# Altium PCB STB_LightBoard.PcbDoc (part 5 of 31) (continued)
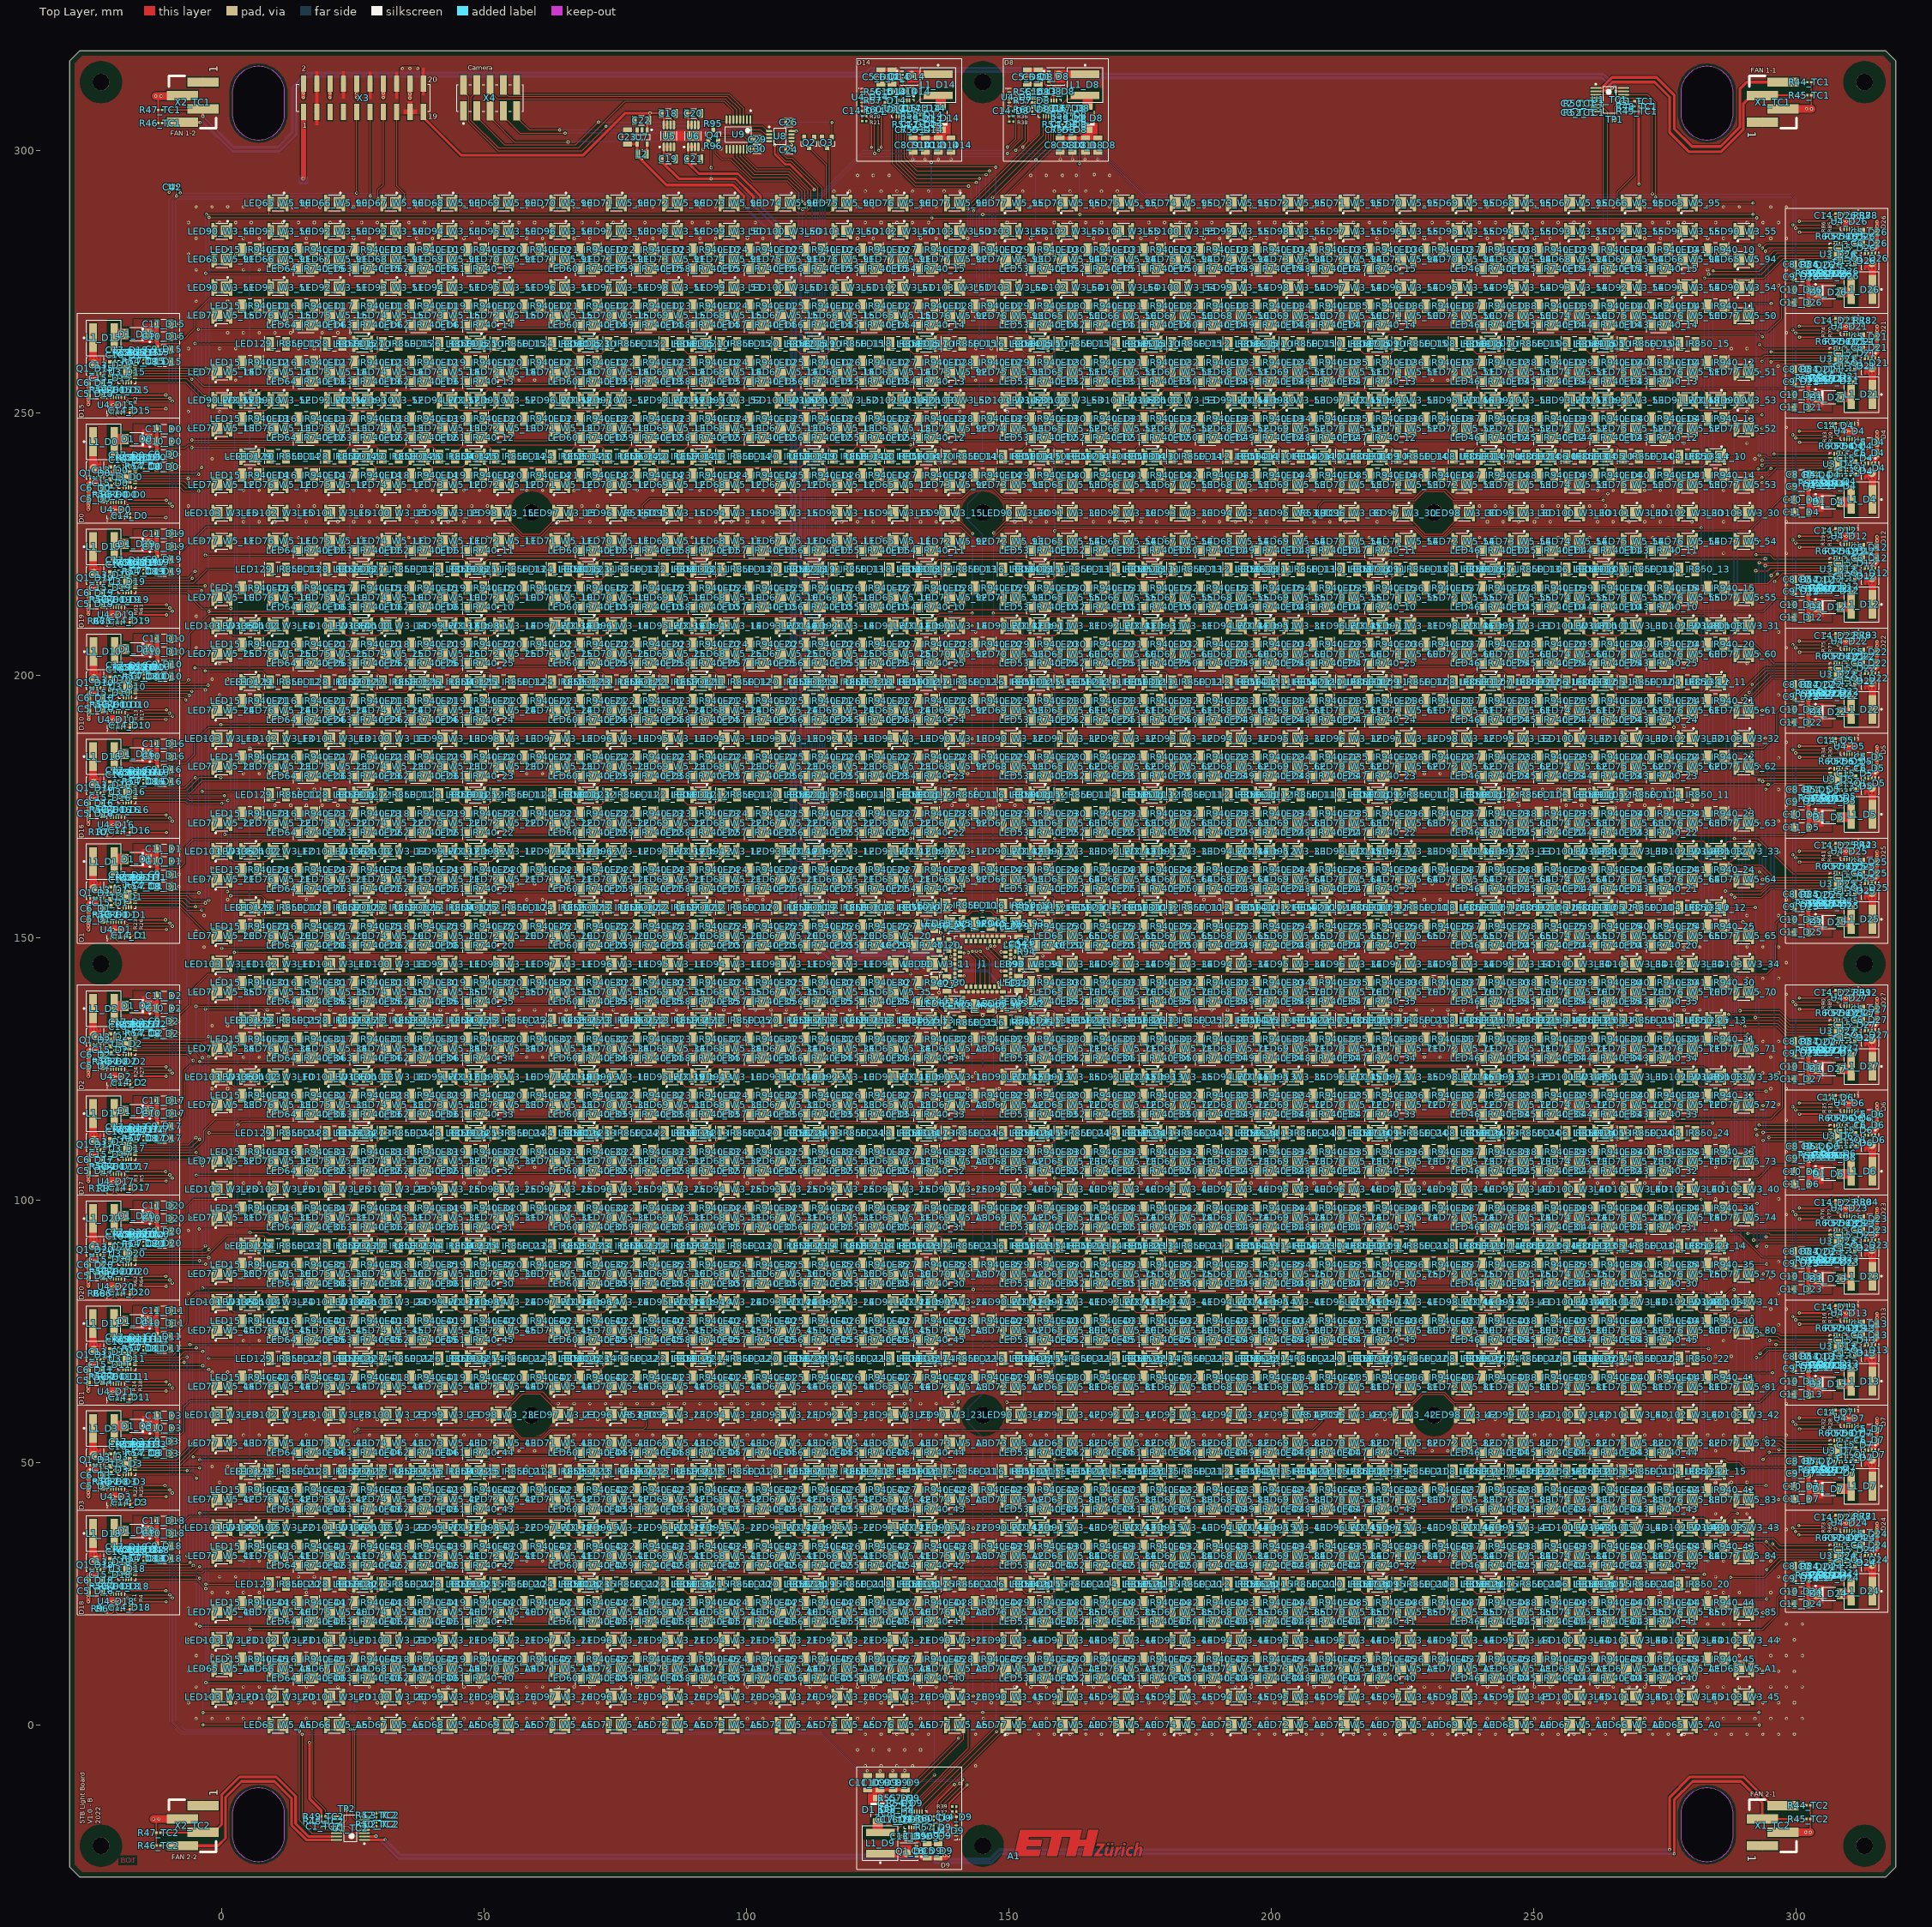
[diagram p0: Top Layer view]
## Components (designator, comment, footprint, x,y, rotation, side; value= is the part's Value field where it differs from the comment) (continued)
LED20_IR940_43 "AREM-90C0-KL000" AREM-80C0-LM000 59.075,34.023 r180 top (schematic designator LED20)
LED20_IR940_44 "AREM-90C0-KL000" AREM-80C0-LM000 59.075,23.282 r180 top (schematic designator LED20)
LED20_IR940_45 "AREM-90C0-KL000" AREM-80C0-LM000 59.075,12.541 r180 top (schematic designator LED20)
LED21_IR940_10 "AREM-90C0-KL000" AREM-80C0-LM000 69.816,281.066 r180 top (schematic designator LED21)
LED21_IR940_11 "AREM-90C0-KL000" AREM-80C0-LM000 69.816,270.325 r180 top (schematic designator LED21)
LED21_IR940_12 "AREM-90C0-KL000" AREM-80C0-LM000 69.816,259.584 r180 top (schematic designator LED21)
LED21_IR940_13 "AREM-90C0-KL000" AREM-80C0-LM000 69.816,248.843 r180 top (schematic designator LED21)
LED21_IR940_14 "AREM-90C0-KL000" AREM-80C0-LM000 69.816,238.102 r180 top (schematic designator LED21)
LED21_IR940_15 "AREM-90C0-KL000" AREM-80C0-LM000 69.816,216.62 r180 top (schematic designator LED21)
LED21_IR940_20 "AREM-90C0-KL000" AREM-80C0-LM000 69.816,205.879 r180 top (schematic designator LED21)
LED21_IR940_21 "AREM-90C0-KL000" AREM-80C0-LM000 69.816,195.138 r180 top (schematic designator LED21)
LED21_IR940_22 "AREM-90C0-KL000" AREM-80C0-LM000 69.816,184.397 r180 top (schematic designator LED21)
LED21_IR940_23 "AREM-90C0-KL000" AREM-80C0-LM000 69.816,173.656 r180 top (schematic designator LED21)
LED21_IR940_24 "AREM-90C0-KL000" AREM-80C0-LM000 69.816,162.915 r180 top (schematic designator LED21)
LED21_IR940_25 "AREM-90C0-KL000" AREM-80C0-LM000 69.816,152.174 r180 top (schematic designator LED21)
LED21_IR940_30 "AREM-90C0-KL000" AREM-80C0-LM000 69.816,141.433 r180 top (schematic designator LED21)
LED21_IR940_31 "AREM-90C0-KL000" AREM-80C0-LM000 69.816,130.692 r180 top (schematic designator LED21)
LED21_IR940_32 "AREM-90C0-KL000" AREM-80C0-LM000 69.816,119.951 r180 top (schematic designator LED21)
LED21_IR940_33 "AREM-90C0-KL000" AREM-80C0-LM000 69.816,109.21 r180 top (schematic designator LED21)
LED21_IR940_34 "AREM-90C0-KL000" AREM-80C0-LM000 69.816,98.469 r180 top (schematic designator LED21)
LED21_IR940_35 "AREM-90C0-KL000" AREM-80C0-LM000 69.816,87.728 r180 top (schematic designator LED21)
LED21_IR940_40 "AREM-90C0-KL000" AREM-80C0-LM000 69.816,76.987 r180 top (schematic designator LED21)
LED21_IR940_41 "AREM-90C0-KL000" AREM-80C0-LM000 69.816,66.246 r180 top (schematic designator LED21)
LED21_IR940_42 "AREM-90C0-KL000" AREM-80C0-LM000 69.816,44.764 r180 top (schematic designator LED21)
LED21_IR940_43 "AREM-90C0-KL000" AREM-80C0-LM000 69.816,34.023 r180 top (schematic designator LED21)
LED21_IR940_44 "AREM-90C0-KL000" AREM-80C0-LM000 69.816,23.282 r180 top (schematic designator LED21)
LED21_IR940_45 "AREM-90C0-KL000" AREM-80C0-LM000 69.816,12.541 r180 top (schematic designator LED21)
LED22_IR940_10 "AREM-90C0-KL000" AREM-80C0-LM000 80.557,281.066 r180 top (schematic designator LED22)
LED22_IR940_11 "AREM-90C0-KL000" AREM-80C0-LM000 80.557,270.325 r180 top (schematic designator LED22)
LED22_IR940_12 "AREM-90C0-KL000" AREM-80C0-LM000 80.557,259.584 r180 top (schematic designator LED22)
LED22_IR940_13 "AREM-90C0-KL000" AREM-80C0-LM000 80.557,248.843 r180 top (schematic designator LED22)
LED22_IR940_14 "AREM-90C0-KL000" AREM-80C0-LM000 80.557,238.102 r180 top (schematic designator LED22)
LED22_IR940_15 "AREM-90C0-KL000" AREM-80C0-LM000 80.557,216.62 r180 top (schematic designator LED22)
LED22_IR940_20 "AREM-90C0-KL000" AREM-80C0-LM000 80.557,205.879 r180 top (schematic designator LED22)
LED22_IR940_21 "AREM-90C0-KL000" AREM-80C0-LM000 80.557,195.138 r180 top (schematic designator LED22)
LED22_IR940_22 "AREM-90C0-KL000" AREM-80C0-LM000 80.557,184.397 r180 top (schematic designator LED22)
LED22_IR940_23 "AREM-90C0-KL000" AREM-80C0-LM000 80.557,173.656 r180 top (schematic designator LED22)
LED22_IR940_24 "AREM-90C0-KL000" AREM-80C0-LM000 80.557,162.915 r180 top (schematic designator LED22)
LED22_IR940_25 "AREM-90C0-KL000" AREM-80C0-LM000 80.557,152.174 r180 top (schematic designator LED22)
LED22_IR940_30 "AREM-90C0-KL000" AREM-80C0-LM000 80.557,141.433 r180 top (schematic designator LED22)
LED22_IR940_31 "AREM-90C0-KL000" AREM-80C0-LM000 80.557,130.692 r180 top (schematic designator LED22)
LED22_IR940_32 "AREM-90C0-KL000" AREM-80C0-LM000 80.557,119.951 r180 top (schematic designator LED22)
LED22_IR940_33 "AREM-90C0-KL000" AREM-80C0-LM000 80.557,109.21 r180 top (schematic designator LED22)
LED22_IR940_34 "AREM-90C0-KL000" AREM-80C0-LM000 80.557,98.469 r180 top (schematic designator LED22)
LED22_IR940_35 "AREM-90C0-KL000" AREM-80C0-LM000 80.557,87.728 r180 top (schematic designator LED22)
LED22_IR940_40 "AREM-90C0-KL000" AREM-80C0-LM000 80.557,76.987 r180 top (schematic designator LED22)
LED22_IR940_41 "AREM-90C0-KL000" AREM-80C0-LM000 80.557,66.246 r180 top (schematic designator LED22)
LED22_IR940_42 "AREM-90C0-KL000" AREM-80C0-LM000 80.557,44.764 r180 top (schematic designator LED22)
LED22_IR940_43 "AREM-90C0-KL000" AREM-80C0-LM000 80.557,34.023 r180 top (schematic designator LED22)
LED22_IR940_44 "AREM-90C0-KL000" AREM-80C0-LM000 80.557,23.282 r180 top (schematic designator LED22)
LED22_IR940_45 "AREM-90C0-KL000" AREM-80C0-LM000 80.557,12.541 r180 top (schematic designator LED22)
LED23_IR940_10 "AREM-90C0-KL000" AREM-80C0-LM000 91.298,281.066 r180 top (schematic designator LED23)
LED23_IR940_11 "AREM-90C0-KL000" AREM-80C0-LM000 91.298,270.325 r180 top (schematic designator LED23)
LED23_IR940_12 "AREM-90C0-KL000" AREM-80C0-LM000 91.298,259.584 r180 top (schematic designator LED23)
LED23_IR940_13 "AREM-90C0-KL000" AREM-80C0-LM000 91.298,248.843 r180 top (schematic designator LED23)
LED23_IR940_14 "AREM-90C0-KL000" AREM-80C0-LM000 91.298,238.102 r180 top (schematic designator LED23)
LED23_IR940_15 "AREM-90C0-KL000" AREM-80C0-LM000 91.298,216.62 r180 top (schematic designator LED23)
LED23_IR940_20 "AREM-90C0-KL000" AREM-80C0-LM000 91.298,205.879 r180 top (schematic designator LED23)
LED23_IR940_21 "AREM-90C0-KL000" AREM-80C0-LM000 91.298,195.138 r180 top (schematic designator LED23)
LED23_IR940_22 "AREM-90C0-KL000" AREM-80C0-LM000 91.298,184.397 r180 top (schematic designator LED23)
LED23_IR940_23 "AREM-90C0-KL000" AREM-80C0-LM000 91.298,173.656 r180 top (schematic designator LED23)
LED23_IR940_24 "AREM-90C0-KL000" AREM-80C0-LM000 91.298,162.915 r180 top (schematic designator LED23)
LED23_IR940_25 "AREM-90C0-KL000" AREM-80C0-LM000 91.298,152.174 r180 top (schematic designator LED23)
LED23_IR940_30 "AREM-90C0-KL000" AREM-80C0-LM000 91.298,141.433 r180 top (schematic designator LED23)
LED23_IR940_31 "AREM-90C0-KL000" AREM-80C0-LM000 91.298,130.692 r180 top (schematic designator LED23)
LED23_IR940_32 "AREM-90C0-KL000" AREM-80C0-LM000 91.298,119.951 r180 top (schematic designator LED23)
LED23_IR940_33 "AREM-90C0-KL000" AREM-80C0-LM000 91.298,109.21 r180 top (schematic designator LED23)
LED23_IR940_34 "AREM-90C0-KL000" AREM-80C0-LM000 91.298,98.469 r180 top (schematic designator LED23)
LED23_IR940_35 "AREM-90C0-KL000" AREM-80C0-LM000 91.298,87.728 r180 top (schematic designator LED23)
LED23_IR940_40 "AREM-90C0-KL000" AREM-80C0-LM000 91.298,76.987 r180 top (schematic designator LED23)
LED23_IR940_41 "AREM-90C0-KL000" AREM-80C0-LM000 91.298,66.246 r180 top (schematic designator LED23)
LED23_IR940_42 "AREM-90C0-KL000" AREM-80C0-LM000 91.298,44.764 r180 top (schematic designator LED23)
LED23_IR940_43 "AREM-90C0-KL000" AREM-80C0-LM000 91.298,34.023 r180 top (schematic designator LED23)
LED23_IR940_44 "AREM-90C0-KL000" AREM-80C0-LM000 91.298,23.282 r180 top (schematic designator LED23)
LED23_IR940_45 "AREM-90C0-KL000" AREM-80C0-LM000 91.298,12.541 r180 top (schematic designator LED23)
LED24_IR940_10 "AREM-90C0-KL000" AREM-80C0-LM000 102.039,281.066 r180 top (schematic designator LED24)
LED24_IR940_11 "AREM-90C0-KL000" AREM-80C0-LM000 102.039,270.325 r180 top (schematic designator LED24)
LED24_IR940_12 "AREM-90C0-KL000" AREM-80C0-LM000 102.039,259.584 r180 top (schematic designator LED24)
LED24_IR940_13 "AREM-90C0-KL000" AREM-80C0-LM000 102.039,248.843 r180 top (schematic designator LED24)
LED24_IR940_14 "AREM-90C0-KL000" AREM-80C0-LM000 102.039,238.102 r180 top (schematic designator LED24)
LED24_IR940_15 "AREM-90C0-KL000" AREM-80C0-LM000 102.039,216.62 r180 top (schematic designator LED24)
LED24_IR940_20 "AREM-90C0-KL000" AREM-80C0-LM000 102.039,205.879 r180 top (schematic designator LED24)
LED24_IR940_21 "AREM-90C0-KL000" AREM-80C0-LM000 102.039,195.138 r180 top (schematic designator LED24)
LED24_IR940_22 "AREM-90C0-KL000" AREM-80C0-LM000 102.039,184.397 r180 top (schematic designator LED24)
LED24_IR940_23 "AREM-90C0-KL000" AREM-80C0-LM000 102.039,173.656 r180 top (schematic designator LED24)
LED24_IR940_24 "AREM-90C0-KL000" AREM-80C0-LM000 102.039,162.915 r180 top (schematic designator LED24)
LED24_IR940_25 "AREM-90C0-KL000" AREM-80C0-LM000 102.039,152.174 r180 top (schematic designator LED24)
LED24_IR940_30 "AREM-90C0-KL000" AREM-80C0-LM000 102.039,141.433 r180 top (schematic designator LED24)
LED24_IR940_31 "AREM-90C0-KL000" AREM-80C0-LM000 102.039,130.692 r180 top (schematic designator LED24)
LED24_IR940_32 "AREM-90C0-KL000" AREM-80C0-LM000 102.039,119.951 r180 top (schematic designator LED24)
LED24_IR940_33 "AREM-90C0-KL000" AREM-80C0-LM000 102.039,109.21 r180 top (schematic designator LED24)
LED24_IR940_34 "AREM-90C0-KL000" AREM-80C0-LM000 102.039,98.469 r180 top (schematic designator LED24)
LED24_IR940_35 "AREM-90C0-KL000" AREM-80C0-LM000 102.039,87.728 r180 top (schematic designator LED24)
LED24_IR940_40 "AREM-90C0-KL000" AREM-80C0-LM000 102.039,76.987 r180 top (schematic designator LED24)
LED24_IR940_41 "AREM-90C0-KL000" AREM-80C0-LM000 102.039,66.246 r180 top (schematic designator LED24)
LED24_IR940_42 "AREM-90C0-KL000" AREM-80C0-LM000 102.039,44.764 r180 top (schematic designator LED24)
LED24_IR940_43 "AREM-90C0-KL000" AREM-80C0-LM000 102.039,34.023 r180 top (schematic designator LED24)
LED24_IR940_44 "AREM-90C0-KL000" AREM-80C0-LM000 102.039,23.282 r180 top (schematic designator LED24)
LED24_IR940_45 "AREM-90C0-KL000" AREM-80C0-LM000 102.039,12.541 r180 top (schematic designator LED24)
LED25_IR940_10 "AREM-90C0-KL000" AREM-80C0-LM000 112.78,281.066 r180 top (schematic designator LED25)
LED25_IR940_11 "AREM-90C0-KL000" AREM-80C0-LM000 112.78,270.325 r180 top (schematic designator LED25)
LED25_IR940_12 "AREM-90C0-KL000" AREM-80C0-LM000 112.78,259.584 r180 top (schematic designator LED25)
LED25_IR940_13 "AREM-90C0-KL000" AREM-80C0-LM000 112.78,248.843 r180 top (schematic designator LED25)
LED25_IR940_14 "AREM-90C0-KL000" AREM-80C0-LM000 112.78,238.102 r180 top (schematic designator LED25)
LED25_IR940_15 "AREM-90C0-KL000" AREM-80C0-LM000 112.78,216.62 r180 top (schematic designator LED25)
LED25_IR940_20 "AREM-90C0-KL000" AREM-80C0-LM000 112.78,205.879 r180 top (schematic designator LED25)
LED25_IR940_21 "AREM-90C0-KL000" AREM-80C0-LM000 112.78,195.138 r180 top (schematic designator LED25)
LED25_IR940_22 "AREM-90C0-KL000" AREM-80C0-LM000 112.78,184.397 r180 top (schematic designator LED25)
LED25_IR940_23 "AREM-90C0-KL000" AREM-80C0-LM000 112.78,173.656 r180 top (schematic designator LED25)
LED25_IR940_24 "AREM-90C0-KL000" AREM-80C0-LM000 112.78,162.915 r180 top (schematic designator LED25)
LED25_IR940_25 "AREM-90C0-KL000" AREM-80C0-LM000 112.78,152.174 r180 top (schematic designator LED25)
LED25_IR940_30 "AREM-90C0-KL000" AREM-80C0-LM000 112.78,141.433 r180 top (schematic designator LED25)
LED25_IR940_31 "AREM-90C0-KL000" AREM-80C0-LM000 112.78,130.692 r180 top (schematic designator LED25)
LED25_IR940_32 "AREM-90C0-KL000" AREM-80C0-LM000 112.78,119.951 r180 top (schematic designator LED25)
LED25_IR940_33 "AREM-90C0-KL000" AREM-80C0-LM000 112.78,109.21 r180 top (schematic designator LED25)
LED25_IR940_34 "AREM-90C0-KL000" AREM-80C0-LM000 112.78,98.469 r180 top (schematic designator LED25)
LED25_IR940_35 "AREM-90C0-KL000" AREM-80C0-LM000 112.78,87.728 r180 top (schematic designator LED25)
LED25_IR940_40 "AREM-90C0-KL000" AREM-80C0-LM000 112.78,76.987 r180 top (schematic designator LED25)
LED25_IR940_41 "AREM-90C0-KL000" AREM-80C0-LM000 112.78,66.246 r180 top (schematic designator LED25)
LED25_IR940_42 "AREM-90C0-KL000" AREM-80C0-LM000 112.78,44.764 r180 top (schematic designator LED25)
LED25_IR940_43 "AREM-90C0-KL000" AREM-80C0-LM000 112.78,34.023 r180 top (schematic designator LED25)
LED25_IR940_44 "AREM-90C0-KL000" AREM-80C0-LM000 112.78,23.282 r180 top (schematic designator LED25)
LED25_IR940_45 "AREM-90C0-KL000" AREM-80C0-LM000 112.78,12.541 r180 top (schematic designator LED25)
LED26_IR940_10 "AREM-90C0-KL000" AREM-80C0-LM000 123.521,281.066 r180 top (schematic designator LED26)
LED26_IR940_11 "AREM-90C0-KL000" AREM-80C0-LM000 123.521,270.325 r180 top (schematic designator LED26)
LED26_IR940_12 "AREM-90C0-KL000" AREM-80C0-LM000 123.521,259.584 r180 top (schematic designator LED26)
LED26_IR940_13 "AREM-90C0-KL000" AREM-80C0-LM000 123.521,248.843 r180 top (schematic designator LED26)
LED26_IR940_14 "AREM-90C0-KL000" AREM-80C0-LM000 123.521,238.102 r180 top (schematic designator LED26)
LED26_IR940_15 "AREM-90C0-KL000" AREM-80C0-LM000 123.521,216.62 r180 top (schematic designator LED26)
LED26_IR940_20 "AREM-90C0-KL000" AREM-80C0-LM000 123.521,205.879 r180 top (schematic designator LED26)
LED26_IR940_21 "AREM-90C0-KL000" AREM-80C0-LM000 123.521,195.138 r180 top (schematic designator LED26)
LED26_IR940_22 "AREM-90C0-KL000" AREM-80C0-LM000 123.521,184.397 r180 top (schematic designator LED26)
LED26_IR940_23 "AREM-90C0-KL000" AREM-80C0-LM000 123.521,173.656 r180 top (schematic designator LED26)
LED26_IR940_24 "AREM-90C0-KL000" AREM-80C0-LM000 123.521,162.915 r180 top (schematic designator LED26)
LED26_IR940_25 "AREM-90C0-KL000" AREM-80C0-LM000 123.521,152.174 r180 top (schematic designator LED26)
LED26_IR940_30 "AREM-90C0-KL000" AREM-80C0-LM000 123.521,141.433 r180 top (schematic designator LED26)
LED26_IR940_31 "AREM-90C0-KL000" AREM-80C0-LM000 123.521,130.692 r180 top (schematic designator LED26)
LED26_IR940_32 "AREM-90C0-KL000" AREM-80C0-LM000 123.521,119.951 r180 top (schematic designator LED26)
LED26_IR940_33 "AREM-90C0-KL000" AREM-80C0-LM000 123.521,109.21 r180 top (schematic designator LED26)
LED26_IR940_34 "AREM-90C0-KL000" AREM-80C0-LM000 123.521,98.469 r180 top (schematic designator LED26)
LED26_IR940_35 "AREM-90C0-KL000" AREM-80C0-LM000 123.521,87.728 r180 top (schematic designator LED26)
LED26_IR940_40 "AREM-90C0-KL000" AREM-80C0-LM000 123.521,76.987 r180 top (schematic designator LED26)
LED26_IR940_41 "AREM-90C0-KL000" AREM-80C0-LM000 123.521,66.246 r180 top (schematic designator LED26)
LED26_IR940_42 "AREM-90C0-KL000" AREM-80C0-LM000 123.521,44.764 r180 top (schematic designator LED26)
LED26_IR940_43 "AREM-90C0-KL000" AREM-80C0-LM000 123.521,34.023 r180 top (schematic designator LED26)
LED26_IR940_44 "AREM-90C0-KL000" AREM-80C0-LM000 123.521,23.282 r180 top (schematic designator LED26)
LED26_IR940_45 "AREM-90C0-KL000" AREM-80C0-LM000 123.521,12.541 r180 top (schematic designator LED26)
LED27_IR940_10 "AREM-90C0-KL000" AREM-80C0-LM000 134.262,281.066 r180 top (schematic designator LED27)
LED27_IR940_11 "AREM-90C0-KL000" AREM-80C0-LM000 134.262,270.325 r180 top (schematic designator LED27)
LED27_IR940_12 "AREM-90C0-KL000" AREM-80C0-LM000 134.262,259.584 r180 top (schematic designator LED27)
LED27_IR940_13 "AREM-90C0-KL000" AREM-80C0-LM000 134.262,248.843 r180 top (schematic designator LED27)
LED27_IR940_14 "AREM-90C0-KL000" AREM-80C0-LM000 134.262,238.102 r180 top (schematic designator LED27)
LED27_IR940_15 "AREM-90C0-KL000" AREM-80C0-LM000 134.262,216.62 r180 top (schematic designator LED27)
LED27_IR940_20 "AREM-90C0-KL000" AREM-80C0-LM000 134.262,205.879 r180 top (schematic designator LED27)
LED27_IR940_21 "AREM-90C0-KL000" AREM-80C0-LM000 134.262,195.138 r180 top (schematic designator LED27)
LED27_IR940_22 "AREM-90C0-KL000" AREM-80C0-LM000 134.262,184.397 r180 top (schematic designator LED27)
LED27_IR940_23 "AREM-90C0-KL000" AREM-80C0-LM000 134.262,173.656 r180 top (schematic designator LED27)
LED27_IR940_24 "AREM-90C0-KL000" AREM-80C0-LM000 134.262,162.915 r180 top (schematic designator LED27)
LED27_IR940_25 "AREM-90C0-KL000" AREM-80C0-LM000 134.262,152.174 r180 top (schematic designator LED27)
LED27_IR940_30 "AREM-90C0-KL000" AREM-80C0-LM000 134.262,141.433 r180 top (schematic designator LED27)
LED27_IR940_31 "AREM-90C0-KL000" AREM-80C0-LM000 134.262,130.692 r180 top (schematic designator LED27)
LED27_IR940_32 "AREM-90C0-KL000" AREM-80C0-LM000 134.262,119.951 r180 top (schematic designator LED27)
LED27_IR940_33 "AREM-90C0-KL000" AREM-80C0-LM000 134.262,109.21 r180 top (schematic designator LED27)
LED27_IR940_34 "AREM-90C0-KL000" AREM-80C0-LM000 134.262,98.469 r180 top (schematic designator LED27)
LED27_IR940_35 "AREM-90C0-KL000" AREM-80C0-LM000 134.262,87.728 r180 top (schematic designator LED27)
LED27_IR940_40 "AREM-90C0-KL000" AREM-80C0-LM000 134.262,76.987 r180 top (schematic designator LED27)
LED27_IR940_41 "AREM-90C0-KL000" AREM-80C0-LM000 134.262,66.246 r180 top (schematic designator LED27)
LED27_IR940_42 "AREM-90C0-KL000" AREM-80C0-LM000 134.262,44.764 r180 top (schematic designator LED27)
LED27_IR940_43 "AREM-90C0-KL000" AREM-80C0-LM000 134.262,34.023 r180 top (schematic designator LED27)
LED27_IR940_44 "AREM-90C0-KL000" AREM-80C0-LM000 134.262,23.282 r180 top (schematic designator LED27)
LED27_IR940_45 "AREM-90C0-KL000" AREM-80C0-LM000 134.262,12.541 r180 top (schematic designator LED27)
LED28_IR940_10 "AREM-90C0-KL000" AREM-80C0-LM000 145.003,281.066 r180 top (schematic designator LED28)
LED28_IR940_11 "AREM-90C0-KL000" AREM-80C0-LM000 145.003,270.325 r180 top (schematic designator LED28)
LED28_IR940_12 "AREM-90C0-KL000" AREM-80C0-LM000 145.003,259.584 r180 top (schematic designator LED28)
LED28_IR940_13 "AREM-90C0-KL000" AREM-80C0-LM000 145.003,248.843 r180 top (schematic designator LED28)
LED28_IR940_14 "AREM-90C0-KL000" AREM-80C0-LM000 145.003,238.102 r180 top (schematic designator LED28)
LED28_IR940_15 "AREM-90C0-KL000" AREM-80C0-LM000 145.003,216.62 r180 top (schematic designator LED28)
LED28_IR940_20 "AREM-90C0-KL000" AREM-80C0-LM000 145.003,205.879 r180 top (schematic designator LED28)
LED28_IR940_21 "AREM-90C0-KL000" AREM-80C0-LM000 145.003,195.138 r180 top (schematic designator LED28)
LED28_IR940_22 "AREM-90C0-KL000" AREM-80C0-LM000 145.003,184.397 r180 top (schematic designator LED28)
LED28_IR940_23 "AREM-90C0-KL000" AREM-80C0-LM000 145.003,173.656 r180 top (schematic designator LED28)
LED28_IR940_24 "AREM-90C0-KL000" AREM-80C0-LM000 145.003,162.915 r180 top (schematic designator LED28)
LED28_IR940_25 "AREM-90C0-KL000" AREM-80C0-LM000 145.003,152.574 r180 top (schematic designator LED28)
LED28_IR940_30 "AREM-90C0-KL000" AREM-80C0-LM000 145,137 r180 top (schematic designator LED28)
LED28_IR940_31 "AREM-90C0-KL000" AREM-80C0-LM000 145.003,130.692 r180 top (schematic designator LED28)
LED28_IR940_32 "AREM-90C0-KL000" AREM-80C0-LM000 145.003,119.951 r180 top (schematic designator LED28)
LED28_IR940_33 "AREM-90C0-KL000" AREM-80C0-LM000 145.003,109.21 r180 top (schematic designator LED28)
LED28_IR940_34 "AREM-90C0-KL000" AREM-80C0-LM000 145.003,98.469 r180 top (schematic designator LED28)
LED28_IR940_35 "AREM-90C0-KL000" AREM-80C0-LM000 145.003,87.728 r180 top (schematic designator LED28)
LED28_IR940_40 "AREM-90C0-KL000" AREM-80C0-LM000 145.003,76.987 r180 top (schematic designator LED28)
LED28_IR940_41 "AREM-90C0-KL000" AREM-80C0-LM000 145.003,66.246 r180 top (schematic designator LED28)
LED28_IR940_42 "AREM-90C0-KL000" AREM-80C0-LM000 145.003,44.764 r180 top (schematic designator LED28)
LED28_IR940_43 "AREM-90C0-KL000" AREM-80C0-LM000 145.003,34.023 r180 top (schematic designator LED28)
LED28_IR940_44 "AREM-90C0-KL000" AREM-80C0-LM000 145.003,23.282 r180 top (schematic designator LED28)
LED28_IR940_45 "AREM-90C0-KL000" AREM-80C0-LM000 145.003,12.541 r180 top (schematic designator LED28)
LED29_IR940_10 "AREM-90C0-KL000" AREM-80C0-LM000 155.744,281.066 r180 top (schematic designator LED29)
LED29_IR940_11 "AREM-90C0-KL000" AREM-80C0-LM000 155.744,270.325 r180 top (schematic designator LED29)
LED29_IR940_12 "AREM-90C0-KL000" AREM-80C0-LM000 155.744,259.584 r180 top (schematic designator LED29)
LED29_IR940_13 "AREM-90C0-KL000" AREM-80C0-LM000 155.744,248.843 r180 top (schematic designator LED29)
LED29_IR940_14 "AREM-90C0-KL000" AREM-80C0-LM000 155.744,238.102 r180 top (schematic designator LED29)
LED29_IR940_15 "AREM-90C0-KL000" AREM-80C0-LM000 155.744,216.62 r180 top (schematic designator LED29)
LED29_IR940_20 "AREM-90C0-KL000" AREM-80C0-LM000 155.744,205.879 r180 top (schematic designator LED29)
LED29_IR940_21 "AREM-90C0-KL000" AREM-80C0-LM000 155.744,195.138 r180 top (schematic designator LED29)
LED29_IR940_22 "AREM-90C0-KL000" AREM-80C0-LM000 155.744,184.397 r180 top (schematic designator LED29)
LED29_IR940_23 "AREM-90C0-KL000" AREM-80C0-LM000 155.744,173.656 r180 top (schematic designator LED29)
LED29_IR940_24 "AREM-90C0-KL000" AREM-80C0-LM000 155.744,162.915 r180 top (schematic designator LED29)
LED29_IR940_25 "AREM-90C0-KL000" AREM-80C0-LM000 155.744,152.174 r180 top (schematic designator LED29)
LED29_IR940_30 "AREM-90C0-KL000" AREM-80C0-LM000 155.744,141.433 r180 top (schematic designator LED29)
LED29_IR940_31 "AREM-90C0-KL000" AREM-80C0-LM000 155.744,130.692 r180 top (schematic designator LED29)
LED29_IR940_32 "AREM-90C0-KL000" AREM-80C0-LM000 155.744,119.951 r180 top (schematic designator LED29)
LED29_IR940_33 "AREM-90C0-KL000" AREM-80C0-LM000 155.744,109.21 r180 top (schematic designator LED29)
LED29_IR940_34 "AREM-90C0-KL000" AREM-80C0-LM000 155.744,98.469 r180 top (schematic designator LED29)
LED29_IR940_35 "AREM-90C0-KL000" AREM-80C0-LM000 155.744,87.728 r180 top (schematic designator LED29)
LED29_IR940_40 "AREM-90C0-KL000" AREM-80C0-LM000 155.744,76.987 r180 top (schematic designator LED29)
LED29_IR940_41 "AREM-90C0-KL000" AREM-80C0-LM000 155.744,66.246 r180 top (schematic designator LED29)
LED29_IR940_42 "AREM-90C0-KL000" AREM-80C0-LM000 155.744,44.764 r180 top (schematic designator LED29)
LED29_IR940_43 "AREM-90C0-KL000" AREM-80C0-LM000 155.744,34.023 r180 top (schematic designator LED29)
LED29_IR940_44 "AREM-90C0-KL000" AREM-80C0-LM000 155.744,23.282 r180 top (schematic designator LED29)
LED29_IR940_45 "AREM-90C0-KL000" AREM-80C0-LM000 155.744,12.541 r180 top (schematic designator LED29)
LED30_IR940_10 "AREM-90C0-KL000" AREM-80C0-LM000 166.485,281.066 r180 top (schematic designator LED30)
LED30_IR940_11 "AREM-90C0-KL000" AREM-80C0-LM000 166.485,270.325 r180 top (schematic designator LED30)
LED30_IR940_12 "AREM-90C0-KL000" AREM-80C0-LM000 166.485,259.584 r180 top (schematic designator LED30)
LED30_IR940_13 "AREM-90C0-KL000" AREM-80C0-LM000 166.485,248.843 r180 top (schematic designator LED30)
LED30_IR940_14 "AREM-90C0-KL000" AREM-80C0-LM000 166.485,238.102 r180 top (schematic designator LED30)
LED30_IR940_15 "AREM-90C0-KL000" AREM-80C0-LM000 166.485,216.62 r180 top (schematic designator LED30)
LED30_IR940_20 "AREM-90C0-KL000" AREM-80C0-LM000 166.485,205.879 r180 top (schematic designator LED30)
LED30_IR940_21 "AREM-90C0-KL000" AREM-80C0-LM000 166.485,195.138 r180 top (schematic designator LED30)
LED30_IR940_22 "AREM-90C0-KL000" AREM-80C0-LM000 166.485,184.397 r180 top (schematic designator LED30)
LED30_IR940_23 "AREM-90C0-KL000" AREM-80C0-LM000 166.485,173.656 r180 top (schematic designator LED30)
LED30_IR940_24 "AREM-90C0-KL000" AREM-80C0-LM000 166.485,162.915 r180 top (schematic designator LED30)
LED30_IR940_25 "AREM-90C0-KL000" AREM-80C0-LM000 166.485,152.174 r180 top (schematic designator LED30)
LED30_IR940_30 "AREM-90C0-KL000" AREM-80C0-LM000 166.485,141.433 r180 top (schematic designator LED30)
LED30_IR940_31 "AREM-90C0-KL000" AREM-80C0-LM000 166.485,130.692 r180 top (schematic designator LED30)
LED30_IR940_32 "AREM-90C0-KL000" AREM-80C0-LM000 166.485,119.951 r180 top (schematic designator LED30)
LED30_IR940_33 "AREM-90C0-KL000" AREM-80C0-LM000 166.485,109.21 r180 top (schematic designator LED30)
LED30_IR940_34 "AREM-90C0-KL000" AREM-80C0-LM000 166.485,98.469 r180 top (schematic designator LED30)
LED30_IR940_35 "AREM-90C0-KL000" AREM-80C0-LM000 166.485,87.728 r180 top (schematic designator LED30)
LED30_IR940_40 "AREM-90C0-KL000" AREM-80C0-LM000 166.485,76.987 r180 top (schematic designator LED30)
LED30_IR940_41 "AREM-90C0-KL000" AREM-80C0-LM000 166.485,66.246 r180 top (schematic designator LED30)
LED30_IR940_42 "AREM-90C0-KL000" AREM-80C0-LM000 166.485,44.764 r180 top (schematic designator LED30)
LED30_IR940_43 "AREM-90C0-KL000" AREM-80C0-LM000 166.485,34.023 r180 top (schematic designator LED30)
LED30_IR940_44 "AREM-90C0-KL000" AREM-80C0-LM000 166.485,23.282 r180 top (schematic designator LED30)
LED30_IR940_45 "AREM-90C0-KL000" AREM-80C0-LM000 166.485,12.541 r180 top (schematic designator LED30)
LED31_IR940_10 "AREM-90C0-KL000" AREM-80C0-LM000 177.226,281.066 r180 top (schematic designator LED31)
LED31_IR940_11 "AREM-90C0-KL000" AREM-80C0-LM000 177.226,270.325 r180 top (schematic designator LED31)
LED31_IR940_12 "AREM-90C0-KL000" AREM-80C0-LM000 177.226,259.584 r180 top (schematic designator LED31)
LED31_IR940_13 "AREM-90C0-KL000" AREM-80C0-LM000 177.226,248.843 r180 top (schematic designator LED31)
LED31_IR940_14 "AREM-90C0-KL000" AREM-80C0-LM000 177.226,238.102 r180 top (schematic designator LED31)
LED31_IR940_15 "AREM-90C0-KL000" AREM-80C0-LM000 177.226,216.62 r180 top (schematic designator LED31)
LED31_IR940_20 "AREM-90C0-KL000" AREM-80C0-LM000 177.226,205.879 r180 top (schematic designator LED31)
LED31_IR940_21 "AREM-90C0-KL000" AREM-80C0-LM000 177.226,195.138 r180 top (schematic designator LED31)
LED31_IR940_22 "AREM-90C0-KL000" AREM-80C0-LM000 177.226,184.397 r180 top (schematic designator LED31)
LED31_IR940_23 "AREM-90C0-KL000" AREM-80C0-LM000 177.226,173.656 r180 top (schematic designator LED31)
LED31_IR940_24 "AREM-90C0-KL000" AREM-80C0-LM000 177.226,162.915 r180 top (schematic designator LED31)
LED31_IR940_25 "AREM-90C0-KL000" AREM-80C0-LM000 177.226,152.174 r180 top (schematic designator LED31)
LED31_IR940_30 "AREM-90C0-KL000" AREM-80C0-LM000 177.226,141.433 r180 top (schematic designator LED31)
LED31_IR940_31 "AREM-90C0-KL000" AREM-80C0-LM000 177.226,130.692 r180 top (schematic designator LED31)
LED31_IR940_32 "AREM-90C0-KL000" AREM-80C0-LM000 177.226,119.951 r180 top (schematic designator LED31)
LED31_IR940_33 "AREM-90C0-KL000" AREM-80C0-LM000 177.226,109.21 r180 top (schematic designator LED31)
LED31_IR940_34 "AREM-90C0-KL000" AREM-80C0-LM000 177.226,98.469 r180 top (schematic designator LED31)
LED31_IR940_35 "AREM-90C0-KL000" AREM-80C0-LM000 177.226,87.728 r180 top (schematic designator LED31)
LED31_IR940_40 "AREM-90C0-KL000" AREM-80C0-LM000 177.226,76.987 r180 top (schematic designator LED31)
LED31_IR940_41 "AREM-90C0-KL000" AREM-80C0-LM000 177.226,66.246 r180 top (schematic designator LED31)
LED31_IR940_42 "AREM-90C0-KL000" AREM-80C0-LM000 177.226,44.764 r180 top (schematic designator LED31)
LED31_IR940_43 "AREM-90C0-KL000" AREM-80C0-LM000 177.226,34.023 r180 top (schematic designator LED31)
LED31_IR940_44 "AREM-90C0-KL000" AREM-80C0-LM000 177.226,23.282 r180 top (schematic designator LED31)
LED31_IR940_45 "AREM-90C0-KL000" AREM-80C0-LM000 177.226,12.541 r180 top (schematic designator LED31)
LED32_IR940_10 "AREM-90C0-KL000" AREM-80C0-LM000 187.967,281.066 r180 top (schematic designator LED32)
LED32_IR940_11 "AREM-90C0-KL000" AREM-80C0-LM000 187.967,270.325 r180 top (schematic designator LED32)
LED32_IR940_12 "AREM-90C0-KL000" AREM-80C0-LM000 187.967,259.584 r180 top (schematic designator LED32)
LED32_IR940_13 "AREM-90C0-KL000" AREM-80C0-LM000 187.967,248.843 r180 top (schematic designator LED32)
LED32_IR940_14 "AREM-90C0-KL000" AREM-80C0-LM000 187.967,238.102 r180 top (schematic designator LED32)
LED32_IR940_15 "AREM-90C0-KL000" AREM-80C0-LM000 187.967,216.62 r180 top (schematic designator LED32)
LED32_IR940_20 "AREM-90C0-KL000" AREM-80C0-LM000 187.967,205.879 r180 top (schematic designator LED32)
LED32_IR940_21 "AREM-90C0-KL000" AREM-80C0-LM000 187.967,195.138 r180 top (schematic designator LED32)
LED32_IR940_22 "AREM-90C0-KL000" AREM-80C0-LM000 187.967,184.397 r180 top (schematic designator LED32)
LED32_IR940_23 "AREM-90C0-KL000" AREM-80C0-LM000 187.967,173.656 r180 top (schematic designator LED32)
LED32_IR940_24 "AREM-90C0-KL000" AREM-80C0-LM000 187.967,162.915 r180 top (schematic designator LED32)
LED32_IR940_25 "AREM-90C0-KL000" AREM-80C0-LM000 187.967,152.174 r180 top (schematic designator LED32)
LED32_IR940_30 "AREM-90C0-KL000" AREM-80C0-LM000 187.967,141.433 r180 top (schematic designator LED32)
LED32_IR940_31 "AREM-90C0-KL000" AREM-80C0-LM000 187.967,130.692 r180 top (schematic designator LED32)
LED32_IR940_32 "AREM-90C0-KL000" AREM-80C0-LM000 187.967,119.951 r180 top (schematic designator LED32)
LED32_IR940_33 "AREM-90C0-KL000" AREM-80C0-LM000 187.967,109.21 r180 top (schematic designator LED32)